# KiCad board bells-venn-rounded.kicad_pcb (continued)
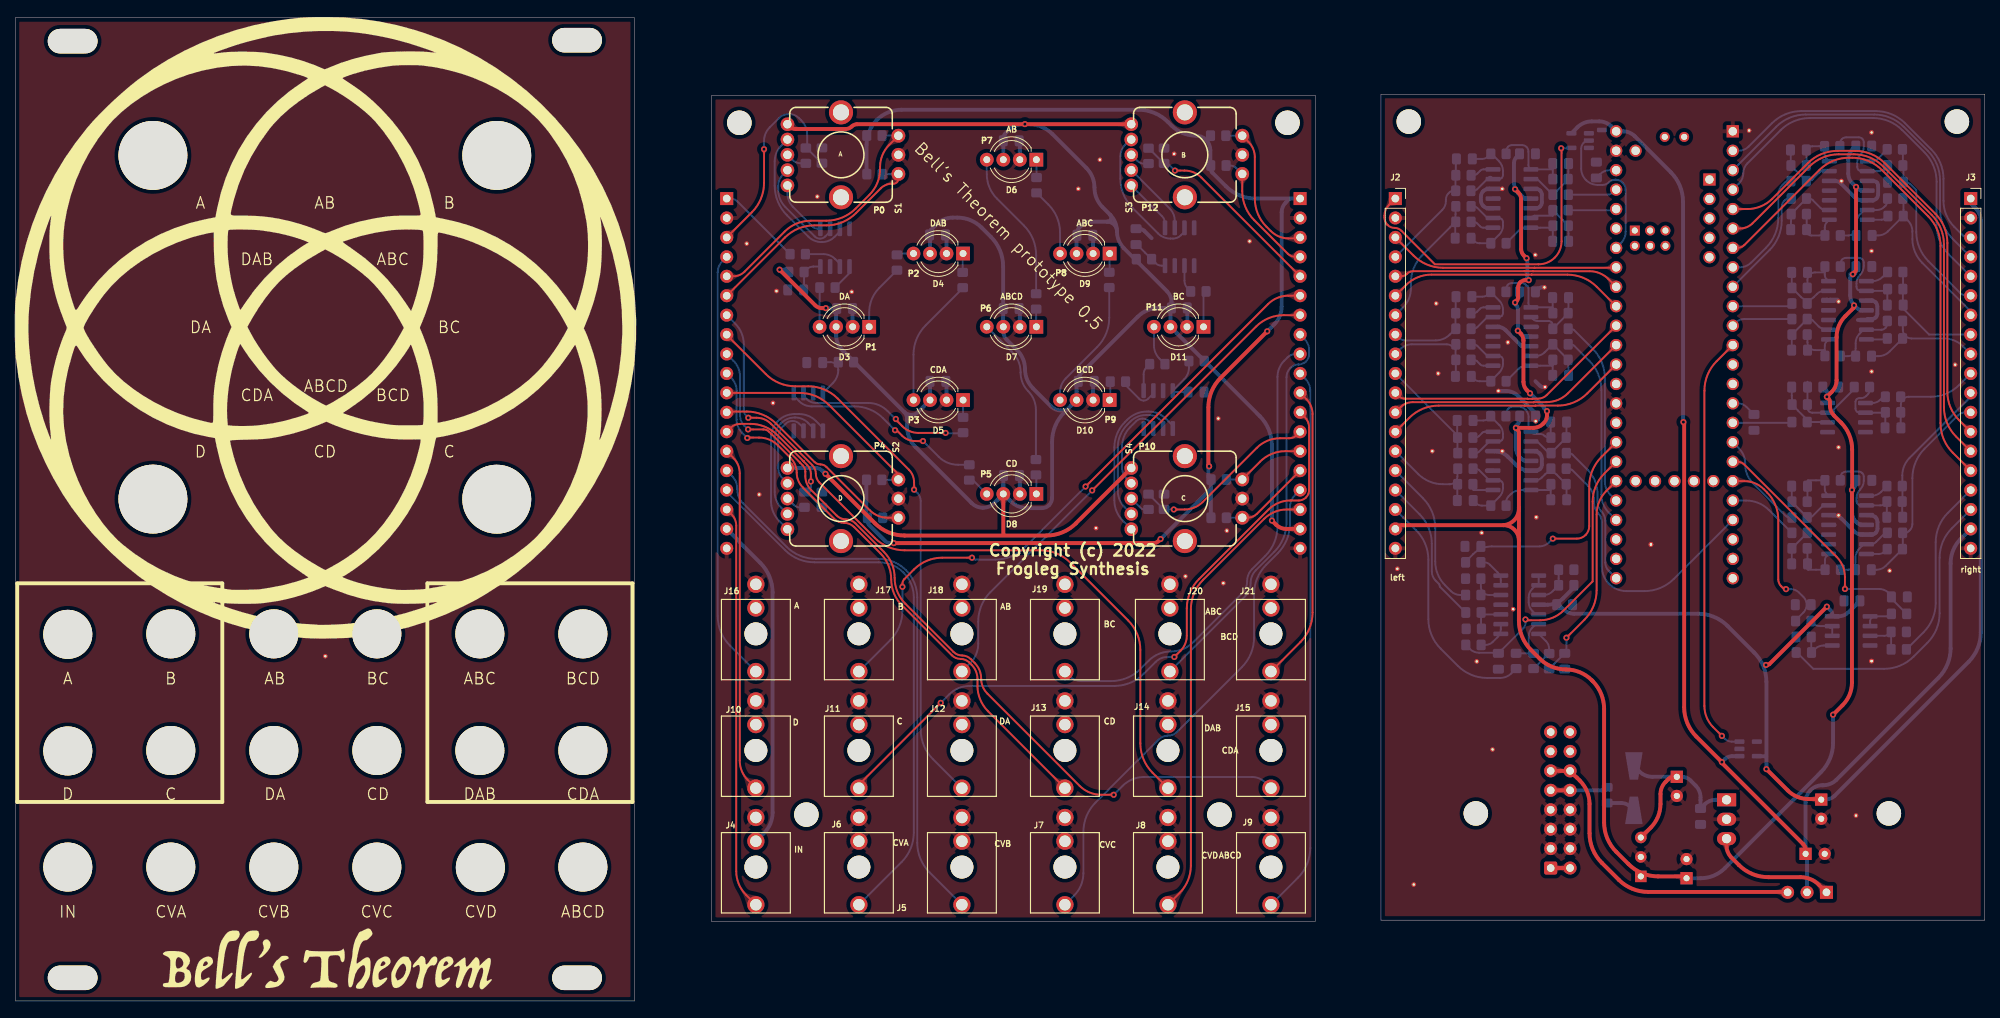
[diagram p0: board, top side]
## Copper pours and planes (outline as drawn; the poured copper is in the pictures) (continued)
/main/ENCC_A on Top: 254.24,70.42 254.37,70.27 254.47,70.14 254.53,70.01 254.57,69.89 254.6,69.77 254.61,69.64 254.62,69.51 254.64,69.37 254.67,69.21 254.72,69.04 255.82,69.02 255.8,70.12 255.63,70.17 255.47,70.2 255.33,70.22 255.2,70.23 255.08,70.24 254.95,70.27 254.83,70.31 254.7,70.37 254.57,70.47 254.42,70.6
/main/ENCC_A on Bottom: 158.54,63.03 158.75,63.02 158.93,62.99 159.07,62.94 159.19,62.88 159.3,62.8 159.4,62.72 159.51,62.63 159.63,62.53 159.77,62.44 159.94,62.35 160.78,63.16 159.94,63.97 159.77,63.88 159.63,63.78 159.51,63.69 159.4,63.6 159.3,63.51 159.19,63.44 159.07,63.37 158.92,63.32 158.75,63.29 158.54,63.28
/main/ENCC_B on Top: 226.13,101.22 225.94,101.17 225.79,101.15 225.65,101.16 225.53,101.2 225.42,101.26 225.31,101.33 225.2,101.42 225.08,101.51 224.94,101.6 224.78,101.69 224.03,100.97 224.78,100.25 224.96,100.33 225.1,100.41 225.23,100.49 225.45,100.63 225.57,100.7 225.69,100.76 225.84,100.83 226.01,100.91 226.21,100.99
/main/ENCC_B on Top: 254.24,72.96 254.37,72.81 254.47,72.68 254.53,72.55 254.57,72.43 254.6,72.31 254.61,72.18 254.62,72.05 254.64,71.91 254.67,71.75 254.72,71.58 255.82,71.56 255.8,72.66 255.63,72.71 255.47,72.74 255.33,72.76 255.2,72.77 255.08,72.78 254.95,72.81 254.83,72.85 254.7,72.91 254.57,73.01 254.42,73.14
/main/ENCC_B on Top: 161.51,69.51 161.35,69.37 161.21,69.27 161.07,69.2 160.94,69.16 160.81,69.14 160.68,69.13 160.54,69.11 160.39,69.1 160.22,69.06 160.04,69.01 160.01,67.84 161.18,67.86 161.24,68.05 161.27,68.21 161.29,68.36 161.3,68.5 161.31,68.64 161.34,68.77 161.38,68.9 161.44,69.03 161.54,69.18 161.69,69.34
/main/ENCC_B on Top: 166.2,71.73 166.4,71.72 166.57,71.69 166.7,71.65 166.82,71.59 166.92,71.52 167.02,71.44 167.12,71.35 167.23,71.27 167.36,71.18 167.52,71.09 168.32,71.86 167.52,72.62 167.36,72.54 167.23,72.45 167.12,72.36 167.02,72.27 166.92,72.2 166.82,72.13 166.7,72.07 166.57,72.02 166.4,71.99 166.2,71.98
/main/ENCC_B on Bottom: 158.53,68.02 158.74,68.01 158.92,67.98 159.07,67.93 159.19,67.87 159.3,67.79 159.4,67.71 159.51,67.62 159.64,67.53 159.78,67.44 159.95,67.34 160.78,68.16 159.93,68.96 159.76,68.87 159.62,68.77 159.5,68.68 159.4,68.59 159.29,68.5 159.18,68.43 159.06,68.36 158.92,68.32 158.74,68.28 158.53,68.27
/main/ENCC_SW on Top: 166.48,73.42 166.67,73.43 166.84,73.44 166.98,73.45 167.11,73.47 167.34,73.5 167.46,73.52 167.59,73.53 167.74,73.54 167.91,73.55 168.22,74.67 167.12,74.75 167.06,74.59 167.02,74.44 167,74.29 166.97,74.15 166.94,74.02 166.9,73.91 166.84,73.81 166.76,73.74 166.63,73.69 166.47,73.67
/main/ENCC_SW on Top: 226.02,103.63 225.84,103.64 225.68,103.67 225.56,103.71 225.45,103.76 225.35,103.83 225.26,103.9 225.16,103.98 225.06,104.06 224.93,104.14 224.78,104.23 224.03,103.51 224.78,102.79 224.93,102.87 225.06,102.95 225.16,103.03 225.26,103.11 225.35,103.18 225.45,103.25 225.56,103.3 225.68,103.34 225.84,103.37 226.02,103.38
/main/ENCC_SW on Top: 254.24,75.5 254.37,75.35 254.47,75.22 254.53,75.09 254.57,74.97 254.6,74.85 254.61,74.72 254.62,74.59 254.64,74.45 254.67,74.29 254.72,74.12 255.82,74.1 255.8,75.2 255.63,75.25 255.47,75.28 255.33,75.3 255.2,75.31 255.08,75.32 254.95,75.35 254.83,75.39 254.7,75.45 254.57,75.55 254.42,75.68
/main/ENCD_A on Top: 208.16,84.51 208.3,84.64 208.43,84.73 208.55,84.79 208.66,84.83 208.78,84.85 208.89,84.86 209.02,84.87 209.15,84.89 209.29,84.92 209.46,84.97 209.48,86.01 208.44,85.99 208.39,85.83 208.36,85.68 208.34,85.55 208.33,85.42 208.32,85.31 208.3,85.19 208.26,85.08 208.2,84.96 208.11,84.83 207.98,84.69
/main/ENCD_A on Top: 94.67,77.16 94.46,77.17 94.28,77.2 94.14,77.25 94.02,77.3 93.91,77.37 93.69,77.52 93.56,77.6 93.42,77.67 93.24,77.74 92.54,76.89 93.42,76.22 93.57,76.32 93.69,76.42 93.79,76.52 93.88,76.61 93.98,76.69 94.07,76.77 94.18,76.83 94.31,76.87 94.47,76.9 94.67,76.91
/main/ENCD_A on Top: 113.09,63.16 113.37,63.08 113.6,63.01 113.79,62.94 113.96,62.87 114.12,62.8 114.27,62.73 114.42,62.65 114.59,62.56 114.78,62.46 115.01,62.35 115.85,63.16 115.01,63.97 114.79,63.86 114.61,63.74 114.45,63.63 114.29,63.53 114.14,63.45 113.99,63.38 113.83,63.34 113.64,63.32 113.42,63.34 113.16,63.4
/main/ENCD_A on Top: 181.65,78.19 181.44,78.1 181.26,78.04 181.1,77.99 180.96,77.96 180.83,77.93 180.7,77.91 180.57,77.88 180.42,77.85 180.25,77.8 180.06,77.74 180.04,76.64 181.14,76.66 181.19,76.83 181.22,77 181.24,77.15 181.26,77.29 181.28,77.43 181.31,77.55 181.37,77.67 181.46,77.77 181.58,77.87 181.75,77.96
/main/ENCD_A on Bottom: 113.61,63.03 113.82,63.02 113.99,62.99 114.14,62.94 114.26,62.88 114.37,62.8 114.47,62.72 114.58,62.63 114.7,62.53 114.84,62.44 115.01,62.35 115.85,63.16 115.01,63.97 114.84,63.88 114.7,63.78 114.58,63.69 114.47,63.6 114.37,63.51 114.26,63.44 114.14,63.37 113.99,63.32 113.82,63.29 113.61,63.28
/main/ENCD_B on Top: 114.46,69.59 114.57,69.46 114.65,69.34 114.69,69.23 114.71,69.12 114.7,69.01 114.68,68.89 114.64,68.77 114.6,68.64 114.56,68.5 114.52,68.35 115.5,67.72 116.04,68.8 115.88,68.94 115.74,69.04 115.61,69.13 115.49,69.19 115.36,69.25 115.24,69.32 115.11,69.39 114.96,69.48 114.81,69.61 114.64,69.76
/main/ENCD_B on Top: 181.8,78.84 181.64,78.85 181.51,78.9 181.42,78.97 181.36,79.06 181.31,79.16 181.27,79.29 181.24,79.42 181.21,79.56 181.16,79.71 181.1,79.85 180,79.74 180.34,78.63 180.52,78.63 180.67,78.62 180.8,78.62 181.16,78.6 181.28,78.6 181.43,78.59 181.6,78.59 181.8,78.59
/main/ENCD_B on Top: 94.65,79.6 94.45,79.61 94.29,79.64 94.16,79.69 94.04,79.75 93.94,79.82 93.84,79.89 93.74,79.98 93.63,80.07 93.49,80.16 93.33,80.24 92.54,79.48 93.33,78.71 93.49,78.8 93.63,78.89 93.74,78.97 93.84,79.06 93.94,79.14 94.04,79.21 94.16,79.27 94.29,79.31 94.45,79.34 94.65,79.35
/main/ENCD_B on Top: 208.16,87.05 208.3,87.18 208.43,87.27 208.55,87.33 208.66,87.37 208.78,87.39 208.89,87.4 209.02,87.41 209.15,87.43 209.29,87.46 209.46,87.51 209.48,88.55 208.44,88.53 208.39,88.37 208.36,88.22 208.34,88.09 208.33,87.96 208.32,87.85 208.3,87.73 208.26,87.62 208.2,87.5 208.11,87.37 207.98,87.23
/main/ENCD_B on Bottom: 113.6,67.99 113.82,67.97 113.99,67.94 114.14,67.89 114.27,67.83 114.38,67.76 114.49,67.68 114.6,67.59 114.73,67.5 114.87,67.41 115.05,67.33 115.85,68.18 114.96,68.95 114.8,68.85 114.67,68.75 114.55,68.65 114.45,68.55 114.35,68.47 114.24,68.39 114.12,68.33 113.98,68.28 113.81,68.25 113.6,68.24
/main/ENCD_SW on Top: 208.16,81.97 208.3,82.1 208.43,82.19 208.55,82.25 208.66,82.29 208.78,82.31 208.89,82.32 209.02,82.33 209.15,82.35 209.29,82.38 209.46,82.43 209.48,83.47 208.44,83.45 208.39,83.29 208.36,83.14 208.34,83.01 208.33,82.88 208.32,82.77 208.3,82.65 208.26,82.54 208.2,82.42 208.11,82.29 207.98,82.15
/main/ENCD_SW on Top: 94.3,75.5 94.09,75.46 93.91,75.42 93.76,75.39 93.63,75.37 93.38,75.34 93.25,75.32 93.11,75.3 92.96,75.27 92.77,75.22 92.65,74.11 93.76,74.09 93.81,74.25 93.84,74.4 93.86,74.55 93.87,74.69 93.89,74.82 93.93,74.94 93.98,75.04 94.07,75.13 94.19,75.2 94.35,75.26
/main/ENCD_SW on Top: 181.45,75.68 181.3,75.55 181.16,75.45 181.03,75.39 180.91,75.35 180.79,75.32 180.66,75.31 180.53,75.3 180.39,75.28 180.23,75.25 180.06,75.2 180.04,74.1 181.14,74.12 181.19,74.29 181.22,74.45 181.24,74.59 181.25,74.72 181.27,74.85 181.29,74.97 181.33,75.09 181.39,75.22 181.49,75.35 181.62,75.5
/main/IN on Top: 94.17,62.96 94.09,63.16 94.03,63.34 93.99,63.5 93.96,63.63 93.94,63.76 93.92,63.89 93.9,64.02 93.87,64.17 93.83,64.33 93.77,64.52 92.66,64.54 92.69,63.43 92.85,63.39 93.01,63.36 93.16,63.34 93.3,63.33 93.43,63.31 93.55,63.28 93.66,63.23 93.76,63.15 93.85,63.03 93.94,62.86
/main/IN on Top: 94.7,14.69 94.88,14.37 95.03,14.09 95.14,13.86 95.23,13.64 95.31,13.44 95.38,13.24 95.45,13.02 95.52,12.79 95.61,12.52 95.71,12.21 97.17,12.18 97.14,13.64 96.84,13.74 96.57,13.8 96.32,13.85 96.09,13.9 95.87,13.96 95.67,14.04 95.48,14.15 95.29,14.31 95.1,14.53 94.91,14.81
/main/IN on Bottom: 181.62,63.13 181.49,63.28 181.39,63.41 181.33,63.54 181.29,63.67 181.27,63.79 181.25,63.91 181.24,64.04 181.22,64.19 181.19,64.34 181.14,64.52 180.04,64.54 180.06,63.43 180.23,63.38 180.39,63.35 180.53,63.33 180.66,63.32 180.79,63.31 180.91,63.29 181.03,63.25 181.16,63.18 181.3,63.09 181.45,62.95
/main/left outs/A_in on Bottom: 207.8,105.26 207.99,105.26 208.16,105.26 209.03,105.25 209.19,105.25 209.52,106.28 208.49,106.42 208.43,106.29 208.38,106.15 208.31,105.91 208.27,105.8 208.22,105.7 208.16,105.62 208.07,105.56 207.95,105.52 207.8,105.51
/main/left outs/CD_in on Bottom: 207.7,56.88 207.77,56.62 207.85,56.4 207.92,56.22 208,56.06 208.07,55.92 208.14,55.78 208.21,55.63 208.28,55.47 208.35,55.27 208.42,55.04 209.48,54.96 209.46,56 209.24,56.07 209.04,56.11 208.84,56.16 208.67,56.2 208.5,56.25 208.36,56.31 208.23,56.41 208.11,56.54 208.02,56.71 207.94,56.94
/main/left outs/CDA_in on Bottom: 207.63,64.39 207.77,64.16 207.88,63.96 207.98,63.79 208.05,63.64 208.12,63.49 208.18,63.34 208.23,63.19 208.29,63.02 208.44,62.6 209.48,62.58 209.46,63.62 209.24,63.69 209.04,63.74 208.86,63.78 208.69,63.83 208.54,63.88 208.4,63.94 208.26,64.03 208.12,64.15 207.98,64.31 207.84,64.52
/main/left outs/D_in on Bottom: 223.4,61.65 223.54,61.78 223.67,61.87 223.79,61.93 223.9,61.97 224.02,61.99 224.13,62 224.26,62.01 224.39,62.03 224.53,62.06 224.7,62.11 224.72,63.15 223.68,63.13 223.63,62.97 223.6,62.82 223.58,62.69 223.57,62.56 223.56,62.45 223.54,62.33 223.5,62.22 223.44,62.1 223.35,61.97 223.22,61.83
/main/left outs/DA_in on Bottom: 207.88,66.73 207.98,66.53 208.06,66.35 208.12,66.19 208.17,66.05 208.21,65.92 208.24,65.79 208.28,65.65 208.32,65.51 208.37,65.34 208.44,65.14 209.48,65.12 209.46,66.16 209.27,66.22 209.11,66.25 208.8,66.3 208.67,66.33 208.54,66.38 208.42,66.44 208.31,66.54 208.2,66.67 208.1,66.85
/main/left outs/DAB_in on Bottom: 207.6,103.23 207.8,103.22 207.97,103.19 208.11,103.15 208.23,103.1 208.34,103.04 208.55,102.91 208.67,102.85 208.82,102.79 208.99,102.73 209.59,103.58 208.72,104.15 208.59,104.04 208.49,103.95 208.4,103.85 208.31,103.76 208.23,103.68 208.14,103.61 208.04,103.56 207.92,103.51 207.78,103.49 207.6,103.48
/main/np_ctl on Top: 179.16,103.28 179.25,103.48 179.35,103.64 179.47,103.75 179.59,103.82 179.73,103.88 179.89,103.91 180.05,103.94 180.23,103.97 180.42,104.01 180.62,104.07 180.64,105.18 179.54,105.16 179.46,104.94 179.4,104.75 179.2,104.15 179.15,103.99 179.08,103.81 179.01,103.61 178.92,103.36
/main/np_ctl on Bottom: 94.6,104.43 93.57,105.48 92.54,104.94 93.22,104.07 93.37,104.12 93.5,104.19 93.74,104.33 93.85,104.38 93.96,104.42 94.07,104.43 94.18,104.42 94.3,104.36 94.43,104.25
/main/right outs/AB_in on Bottom: 225.47,94.56 225.33,94.43 225.2,94.34 225.08,94.28 224.97,94.24 224.85,94.22 224.74,94.21 224.61,94.2 224.48,94.18 224.33,94.15 224.17,94.1 224.15,93.06 225.19,93.08 225.24,93.24 225.27,93.39 225.28,93.52 225.3,93.65 225.31,93.76 225.33,93.88 225.37,93.99 225.43,94.11 225.52,94.24 225.65,94.38
/main/right outs/ABC_in on Bottom: 226.02,90.93 225.84,90.94 225.68,90.97 225.56,91.01 225.45,91.06 225.35,91.13 225.26,91.2 225.16,91.28 225.06,91.36 224.93,91.44 224.78,91.53 224.03,90.81 224.78,90.09 224.93,90.17 225.06,90.25 225.16,90.33 225.26,90.41 225.35,90.48 225.45,90.55 225.56,90.6 225.68,90.64 225.84,90.67 226.02,90.68
/main/right outs/ABCD_in on Bottom: 226.02,75.69 225.84,75.7 225.68,75.73 225.56,75.77 225.45,75.82 225.35,75.89 225.26,75.96 225.16,76.04 225.06,76.12 224.93,76.2 224.78,76.29 224.03,75.57 224.78,74.85 224.93,74.93 225.06,75.01 225.16,75.09 225.26,75.17 225.35,75.24 225.45,75.31 225.56,75.36 225.68,75.4 225.84,75.43 226.02,75.44
/main/right outs/B_in on Bottom: 226.06,96.15 225.88,96.09 225.74,96.08 225.61,96.09 225.49,96.13 225.39,96.19 225.28,96.26 225.18,96.34 225.06,96.43 224.93,96.52 224.78,96.61 224.03,95.89 224.78,95.17 224.95,95.25 225.09,95.33 225.21,95.41 225.32,95.48 225.43,95.55 225.53,95.62 225.65,95.69 225.79,95.76 225.95,95.83 226.15,95.92
/main/right outs/BC_in on Bottom: 225.74,89.24 225.55,89.22 225.38,89.2 225.25,89.18 224.79,89.12 224.66,89.1 224.52,89.08 224.35,89.06 224.13,88 225.17,87.95 225.22,88.1 225.25,88.24 225.28,88.38 225.3,88.51 225.32,88.63 225.36,88.74 225.41,88.83 225.49,88.91 225.61,88.96 225.76,89
/main/right outs/BCD_in on Bottom: 225.83,71.63 225.72,71.85 225.63,72.03 225.56,72.19 225.5,72.34 225.45,72.48 225.41,72.61 225.32,72.91 225.26,73.08 225.19,73.29 224.15,73.31 224.17,72.27 224.37,72.21 224.54,72.17 224.71,72.14 224.86,72.11 225,72.07 225.13,72.02 225.26,71.95 225.38,71.84 225.5,71.7 225.61,71.51
/main/right outs/C_in on Bottom: 226.02,65.53 225.84,65.54 225.68,65.57 225.56,65.61 225.45,65.66 225.35,65.73 225.26,65.8 225.16,65.88 225.06,65.96 224.93,66.04 224.78,66.13 224.03,65.41 224.78,64.69 224.93,64.77 225.06,64.85 225.16,64.93 225.26,65.01 225.35,65.08 225.45,65.15 225.56,65.2 225.68,65.24 225.84,65.27 226.02,65.28
/main/scaleleft/CVA_out on Top: 208.16,69.27 208.3,69.4 208.43,69.49 208.55,69.55 208.66,69.59 208.78,69.61 208.89,69.62 209.02,69.63 209.15,69.65 209.29,69.68 209.46,69.73 209.48,70.77 208.44,70.75 208.39,70.59 208.36,70.44 208.34,70.31 208.33,70.18 208.32,70.07 208.3,69.95 208.26,69.84 208.2,69.72 208.11,69.59 207.98,69.45
/main/scaleleft/CVB_out on Top: 208.16,71.81 208.3,71.94 208.43,72.03 208.55,72.09 208.66,72.13 208.78,72.15 208.89,72.16 209.02,72.17 209.15,72.19 209.29,72.22 209.46,72.27 209.48,73.31 208.44,73.29 208.39,73.13 208.36,72.98 208.34,72.85 208.33,72.72 208.32,72.61 208.3,72.49 208.26,72.38 208.2,72.26 208.11,72.13 207.98,71.99
/main/scaleleft/CVB_out on Bottom: 200.16,59.56 200.28,59.64 200.54,59.81 200.61,59.85 200.68,59.89 200.76,59.93 200.84,59.97 200.93,60.01 201.05,60.05 201.06,60.57 200.54,60.56 200.5,60.45 200.44,60.27 200.41,60.19 200.38,60.12 200.34,60.05 200.29,59.98 200.22,59.92 200.13,59.85 200.03,59.78
/main/scaleleft/IN_out on Top: 208.16,66.73 208.3,66.86 208.43,66.95 208.55,67.01 208.66,67.05 208.78,67.07 208.89,67.08 209.02,67.09 209.15,67.11 209.29,67.14 209.46,67.19 209.48,68.23 208.44,68.21 208.39,68.05 208.36,67.9 208.34,67.77 208.33,67.64 208.32,67.53 208.3,67.41 208.26,67.3 208.2,67.18 208.11,67.05 207.98,66.91
/main/scaleright/CVC_out on Top: 226.04,70.19 225.9,70.32 225.78,70.42 225.68,70.51 225.58,70.58 225.4,70.71 225.31,70.78 225.22,70.85 225.11,70.95 224.99,71.06 224.04,70.52 224.72,69.74 224.86,69.8 224.98,69.88 225.1,69.95 225.21,70.03 225.31,70.1 225.42,70.14 225.52,70.17 225.63,70.16 225.74,70.11 225.86,70.01
/main/scaleright/CVD_out on Top: 226.75,67.98 226.47,68.04 226.24,68.1 226.04,68.15 225.86,68.2 225.7,68.26 225.54,68.32 225.38,68.38 225.21,68.46 225.01,68.55 224.78,68.67 224.03,67.95 224.78,67.23 225,67.34 225.19,67.45 225.36,67.54 225.52,67.63 225.67,67.7 225.83,67.76 226.01,67.79 226.2,67.8 226.43,67.78 226.7,67.73
/main/scaleright/CVD_out on Top: 230.41,54.47 230.48,54.34 230.55,54.24 230.61,54.16 230.68,54.09 230.8,53.97 230.86,53.9 230.92,53.83 230.98,53.75 231.04,53.64 231.58,53.76 231.35,54.22 231.25,54.21 231.16,54.21 231.08,54.21 231,54.23 230.93,54.25 230.87,54.29 230.81,54.34 230.75,54.4 230.69,54.49 230.63,54.58
Net-(C59-Pad2) on Bottom: 226.06,77.93 225.9,78.05 225.76,78.14 225.64,78.22 225.26,78.51 225.15,78.58 225.03,78.67 224.88,78.77 224.03,78.12 224.75,77.37 224.89,77.44 225.01,77.52 225.13,77.61 225.23,77.69 225.33,77.76 225.43,77.81 225.54,77.84 225.65,77.84 225.78,77.81 225.92,77.73
Net-(C60-Pad1) on Bottom: 207.62,108.29 207.78,108.36 207.92,108.38 208.04,108.37 208.16,108.34 208.26,108.28 208.36,108.21 208.46,108.12 208.58,108.03 208.7,107.95 208.85,107.87 209.59,108.59 208.84,109.3 208.67,109.22 208.53,109.14 208.41,109.06 208.31,108.99 208.1,108.85 207.99,108.78 207.86,108.7 207.7,108.61 207.51,108.52
Net-(D3-Pad1) on Bottom: 111.46,89.9 111.45,89.69 111.41,89.52 111.37,89.37 111.3,89.25 111.23,89.14 111.14,89.04 111.05,88.93 110.96,88.81 110.86,88.67 110.77,88.5 111.58,87.66 112.39,88.5 112.3,88.67 112.21,88.81 112.11,88.93 112.02,89.04 111.94,89.14 111.86,89.25 111.8,89.37 111.75,89.52 111.72,89.69 111.71,89.9
Net-(D3-Pad4) on Bottom: 104.98,89.9 104.97,89.69 104.94,89.52 104.89,89.37 104.83,89.25 104.75,89.14 104.67,89.04 104.58,88.93 104.48,88.81 104.39,88.67 104.3,88.5 105.11,87.66 105.92,88.5 105.82,88.67 105.73,88.81 105.64,88.93 105.54,89.04 105.46,89.14 105.38,89.25 105.32,89.37 105.27,89.52 105.24,89.69 105.23,89.9
Net-(D4-Pad1) on Bottom: 123.92,95.89 123.94,96.1 123.97,96.27 124.02,96.41 124.08,96.53 124.16,96.63 124.24,96.74 124.34,96.84 124.44,96.95 124.54,97.09 124.64,97.25 123.88,98.14 123.02,97.34 123.1,97.16 123.19,97.02 123.28,96.89 123.37,96.78 123.45,96.67 123.52,96.56 123.58,96.43 123.63,96.28 123.66,96.1 123.67,95.89
Net-(D4-Pad4) on Bottom: 115.58,97.56 115.79,97.55 115.97,97.52 116.11,97.47 116.23,97.41 116.34,97.33 116.45,97.25 116.55,97.16 116.67,97.06 116.81,96.97 116.98,96.88 117.82,97.69 116.98,98.5 116.81,98.41 116.67,98.31 116.55,98.22 116.45,98.13 116.34,98.04 116.23,97.97 116.11,97.9 115.97,97.86 115.79,97.82 115.58,97.81
Net-(D5-Pad1) on Bottom: 123.98,76.75 123.99,76.96 124.02,77.13 124.07,77.27 124.13,77.4 124.21,77.51 124.29,77.61 124.38,77.72 124.47,77.84 124.57,77.98 124.66,78.14 123.85,78.99 123.04,78.14 123.13,77.98 123.23,77.84 123.32,77.72 123.41,77.61 123.5,77.51 123.57,77.4 123.63,77.27 123.68,77.13 123.71,76.96 123.73,76.75
Net-(D5-Pad4) on Bottom: 117.25,80.33 117.24,80.12 117.21,79.94 117.16,79.8 117.09,79.68 117.02,79.57 116.93,79.46 116.84,79.36 116.75,79.24 116.66,79.1 116.56,78.93 117.37,78.09 118.18,78.93 118.09,79.1 118,79.24 117.9,79.36 117.81,79.46 117.73,79.57 117.65,79.68 117.59,79.8 117.54,79.94 117.51,80.12 117.5,80.33
Net-(D6-Pad1) on Bottom: 133.58,108.15 133.59,108.37 133.62,108.54 133.67,108.69 133.73,108.82 133.8,108.93 133.89,109.03 133.98,109.15 134.07,109.27 134.16,109.41 134.25,109.59 133.41,110.41 132.63,109.54 132.72,109.38 132.82,109.24 132.92,109.12 133.01,109.01 133.1,108.91 133.17,108.8 133.24,108.68 133.28,108.54 133.32,108.36 133.33,108.15
Net-(D6-Pad4) on Bottom: 127.07,108.17 127.09,108.38 127.12,108.55 127.17,108.69 127.23,108.82 127.3,108.93 127.39,109.03 127.48,109.14 127.57,109.26 127.67,109.4 127.76,109.56 126.95,110.41 126.14,109.56 126.23,109.4 126.33,109.26 126.42,109.14 126.51,109.03 126.59,108.93 126.67,108.82 126.73,108.69 126.78,108.55 126.81,108.38 126.82,108.17
Net-(D7-Pad1) on Bottom: 133.28,89.92 133.26,89.7 133.23,89.53 133.19,89.38 133.12,89.25 133.05,89.14 132.97,89.04 132.88,88.92 132.79,88.8 132.69,88.66 132.61,88.48 133.44,87.66 134.22,88.53 134.13,88.69 134.03,88.83 133.93,88.95 133.84,89.06 133.76,89.16 133.68,89.27 133.62,89.39 133.57,89.53 133.54,89.71 133.53,89.92
Net-(D7-Pad4) on Bottom: 128.3,86.94 128.16,87.09 128.06,87.24 127.99,87.37 127.95,87.5 127.93,87.63 127.92,87.77 127.9,87.91 127.89,88.06 127.85,88.22 127.8,88.41 126.63,88.43 126.65,87.26 126.84,87.21 127,87.18 127.15,87.16 127.29,87.15 127.43,87.13 127.56,87.11 127.69,87.07 127.82,87 127.97,86.9 128.13,86.76
Net-(D8-Pad1) on Bottom: 133.3,68.06 133.29,67.85 133.26,67.67 133.21,67.53 133.15,67.41 133.07,67.3 132.99,67.2 132.9,67.09 132.8,66.97 132.71,66.83 132.62,66.66 133.43,65.82 134.24,66.66 134.14,66.83 134.05,66.97 133.96,67.09 133.87,67.2 133.78,67.3 133.71,67.41 133.64,67.53 133.59,67.67 133.56,67.85 133.55,68.06
Net-(D8-Pad4) on Bottom: 125.6,67.45 125.74,67.29 125.84,67.14 125.9,67.01 125.95,66.88 125.97,66.75 125.98,66.61 125.99,66.47 126.01,66.32 126.04,66.16 126.1,65.97 127.27,65.95 127.24,67.12 127.06,67.17 126.89,67.21 126.74,67.22 126.6,67.24 126.47,67.25 126.34,67.27 126.21,67.31 126.07,67.38 125.93,67.48 125.77,67.62
Net-(D9-Pad1) on Bottom: 143.13,95.9 143.14,96.11 143.17,96.28 143.22,96.43 143.28,96.55 143.36,96.66 143.44,96.76 143.53,96.87 143.63,96.99 143.72,97.13 143.81,97.3 143,98.14 142.19,97.3 142.28,97.13 142.38,96.99 142.47,96.87 142.56,96.76 142.65,96.66 142.72,96.55 142.79,96.43 142.83,96.28 142.87,96.11 142.88,95.9
Net-(D9-Pad4) on Bottom: 136.4,99.48 136.39,99.27 136.36,99.09 136.31,98.95 136.25,98.83 136.17,98.72 136.09,98.62 136,98.51 135.9,98.39 135.81,98.25 135.72,98.08 136.53,97.24 137.34,98.08 137.24,98.25 137.15,98.39 137.05,98.51 136.96,98.62 136.88,98.72 136.8,98.83 136.74,98.95 136.69,99.09 136.66,99.27 136.65,99.48
Net-(D10-Pad1) on Bottom: 142.96,80.34 142.95,80.13 142.92,79.96 142.87,79.82 142.8,79.71 142.73,79.6 142.64,79.5 142.54,79.4 142.44,79.29 142.34,79.16 142.23,79 142.96,78.09 143.84,78.85 143.77,79.04 143.68,79.19 143.6,79.32 143.51,79.43 143.43,79.54 143.36,79.66 143.3,79.79 143.25,79.94 143.22,80.12 143.21,80.34
Net-(D10-Pad4) on Bottom: 136.57,80.5 136.48,80.27 136.39,80.09 136.31,79.93 136.23,79.79 136.15,79.67 136.07,79.55 135.99,79.42 135.91,79.29 135.81,79.12 135.72,78.93 136.53,78.09 137.34,78.93 137.24,79.1 137.14,79.25 137.03,79.39 136.94,79.51 136.85,79.63 136.78,79.75 136.74,79.89 136.72,80.04 136.74,80.21 136.8,80.42
Net-(D11-Pad1) on Bottom: 155.15,89.9 155.13,89.69 155.1,89.52 155.05,89.37 154.99,89.25 154.92,89.14 154.83,89.04 154.74,88.93 154.65,88.81 154.55,88.67 154.46,88.5 155.27,87.66 156.08,88.5 155.99,88.67 155.89,88.81 155.8,88.93 155.71,89.04 155.63,89.14 155.55,89.25 155.49,89.37 155.44,89.52 155.41,89.69 155.4,89.9
Net-(D11-Pad4) on Bottom: 148.92,86.32 148.93,86.53 148.96,86.71 149.01,86.85 149.07,86.97 149.15,87.08 149.23,87.19 149.32,87.29 149.42,87.41 149.51,87.55 149.6,87.72 148.79,88.56 147.98,87.72 148.08,87.55 148.17,87.41 148.26,87.29 148.35,87.19 148.44,87.08 148.51,86.97 148.58,86.85 148.63,86.71 148.66,86.53 148.67,86.32
Net-(J1-Pad1) on Top: 202.32,17.63 202.13,17.63 201.97,17.66 201.83,17.69 201.71,17.73 201.6,17.78 201.5,17.84 201.28,17.98 201.16,18.06 201.01,18.14 200.21,17.37 201.01,16.61 201.16,16.69 201.28,16.76 201.5,16.9 201.6,16.96 201.71,17.02 201.83,17.06 201.97,17.09 202.13,17.11 202.32,17.12
Net-(J1-Pad1) on Top: 201.48,17.12 201.68,17.11 201.84,17.09 201.98,17.06 202.1,17.02 202.2,16.96 202.31,16.9 202.53,16.76 202.65,16.69 202.8,16.61 203.6,17.37 202.8,18.14 202.65,18.06 202.53,17.98 202.31,17.84 202.2,17.78 202.1,17.73 201.98,17.69 201.84,17.66 201.68,17.63 201.48,17.63
Net-(J1-Pad10) on Top: 201.48,27.28 201.68,27.27 201.84,27.25 201.98,27.22 202.1,27.18 202.2,27.12 202.31,27.06 202.53,26.92 202.65,26.85 202.8,26.77 203.6,27.53 202.8,28.3 202.65,28.22 202.53,28.14 202.31,28 202.2,27.94 202.1,27.89 201.98,27.85 201.84,27.82 201.68,27.79 201.48,27.79
Net-(J1-Pad10) on Top: 202.32,27.79 202.13,27.79 201.97,27.82 201.83,27.85 201.71,27.89 201.6,27.94 201.5,28 201.28,28.14 201.16,28.22 201.01,28.3 200.21,27.53 201.01,26.77 201.16,26.85 201.28,26.92 201.5,27.06 201.6,27.12 201.71,27.18 201.83,27.22 201.97,27.25 202.13,27.27 202.32,27.28
Net-(J1-Pad10) on Bottom: 204.86,27.79 204.67,27.79 204.51,27.82 204.37,27.85 204.25,27.89 204.14,27.94 204.04,28 203.82,28.14 203.7,28.22 203.55,28.3 202.75,27.53 203.55,26.77 203.7,26.85 203.82,26.92 204.04,27.06 204.14,27.12 204.25,27.18 204.37,27.22 204.51,27.25 204.67,27.27 204.86,27.28
Net-(J1-Pad11) on Top: 202.81,30.2 202.34,30.33 202.16,30.39 201.99,30.44 201.84,30.48 201.7,30.53 201.55,30.59 201.39,30.66 201.21,30.74 201.01,30.84 200.21,30.07 201.01,29.31 201.19,29.4 201.35,29.5 201.5,29.58 201.64,29.66 201.78,29.72 201.92,29.76 202.07,29.79 202.25,29.79 202.44,29.77 202.67,29.71
Net-(J1-Pad11) on Top: 229.89,14 230.08,13.99 230.24,13.97 230.38,13.93 230.5,13.89 230.6,13.84 230.7,13.77 230.8,13.7 230.91,13.63 231.04,13.54 231.18,13.46 232.02,14.17 231.27,14.98 231.11,14.91 230.98,14.84 230.86,14.77 230.75,14.71 230.64,14.65 230.53,14.6 230.4,14.56 230.26,14.53 230.09,14.51 229.89,14.5
Net-(J24-Pad1) on Top: 234.89,15.49 235.1,15.35 235.27,15.22 235.4,15.08 235.5,14.95 235.58,14.81 235.64,14.66 235.7,14.5 235.8,14.13 235.87,13.92 236.98,13.9 236.96,15 236.73,15.08 236.54,15.16 236.37,15.23 236.22,15.3 236.07,15.38 235.92,15.46 235.77,15.55 235.39,15.78 235.15,15.93
Net-(J24-Pad1) on Top: 224.02,19.56 223.96,19.73 223.94,19.88 223.94,20.01 223.97,20.13 224.02,20.24 224.08,20.34 224.15,20.45 224.23,20.57 224.31,20.69 224.39,20.84 223.62,21.63 222.86,20.84 222.94,20.67 223.02,20.52 223.14,20.27 223.2,20.15 223.26,20.03 223.32,19.9 223.39,19.75 223.46,19.58 223.55,19.37
Net-(R104-Pad1) on Bottom: 102.35,109.64 102.17,109.69 102.05,109.77 101.96,109.86 101.9,109.97 101.87,110.1 101.85,110.24 101.83,110.39 101.81,110.55 101.79,110.71 101.74,110.88 100.58,110.91 100.71,109.72 100.9,109.68 101.07,109.65 101.74,109.51 101.89,109.48 102.08,109.44 102.3,109.39
Net-(R132-Pad1) on Bottom: 102.49,64.62 102.29,64.66 102.14,64.72 102.04,64.82 101.96,64.93 101.91,65.07 101.88,65.23 101.83,65.57 101.79,65.76 101.74,65.95 100.58,65.97 100.82,64.77 101.03,64.75 101.2,64.71 101.35,64.67 101.48,64.62 101.61,64.58 101.74,64.53 101.88,64.48 102.05,64.44 102.24,64.4 102.47,64.37
Net-(R135-Pad1) on Bottom: 147.78,64.35 147.52,64.34 147.32,64.39 147.17,64.49 147.06,64.63 146.97,64.8 146.91,65 146.85,65.22 146.8,65.46 146.75,65.71 146.67,65.95 145.52,65.97 145.94,64.78 146.18,64.78 146.38,64.74 146.54,64.66 146.69,64.55 146.83,64.43 146.98,64.32 147.14,64.21 147.32,64.14 147.54,64.09 147.81,64.1
